# Altium PCB CHAHARDOLI-7 ADAD METAL.PcbDoc (part 2 of 10) (continued)
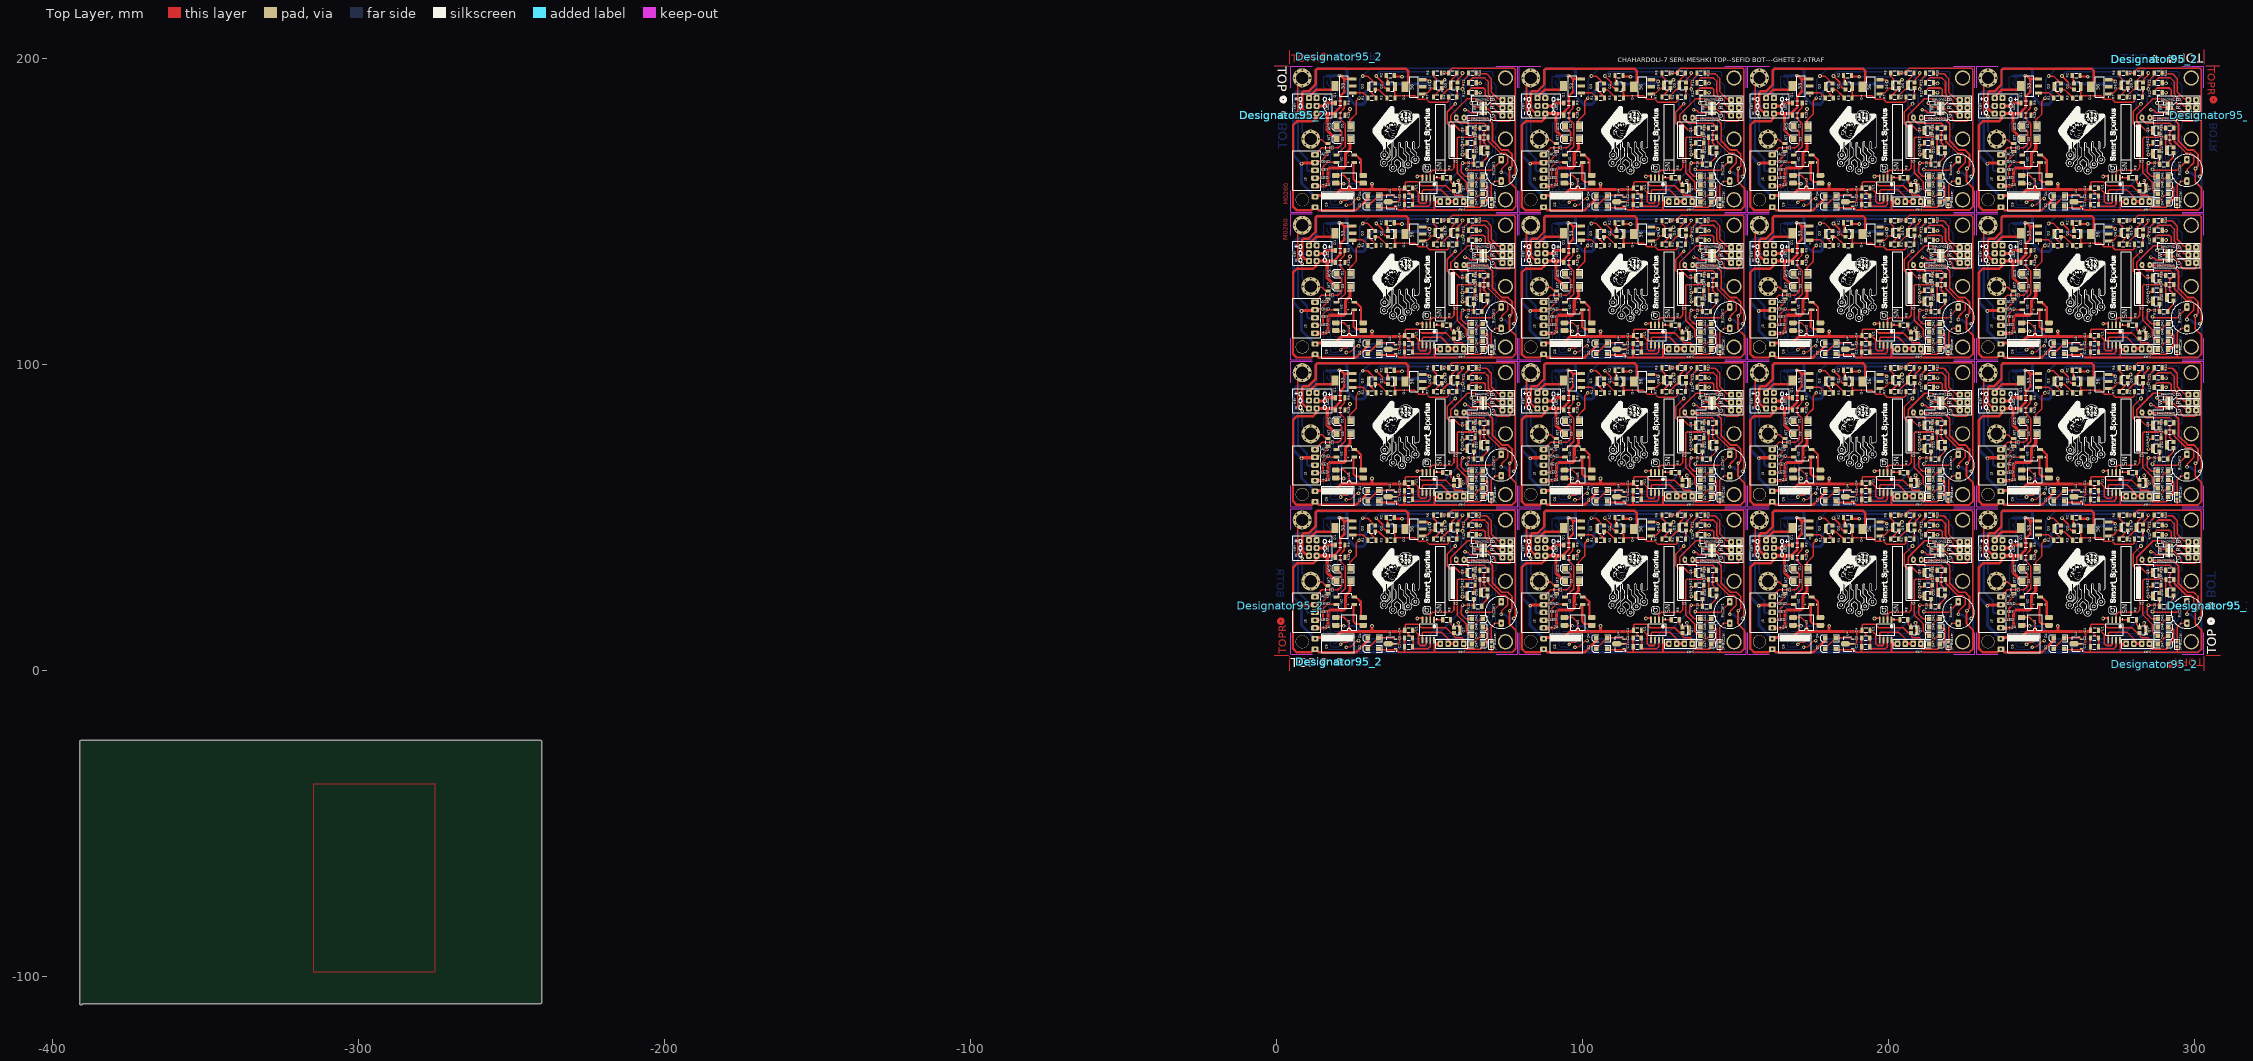
[diagram p0: Top Layer view]
## Components (designator, comment, footprint, x,y, rotation, side; value= is the part's Value field where it differs from the comment) (continued)
R7 "10K" "RES 1206 (3216X08L)"#1 276.6,42.91 r180 top
R7 "10K" "RES 1206 (3216X08L)"#1 276.6,91.055 r180 top
R7 "10K" "RES 1206 (3216X08L)"#1 276.6,139.2 r180 top
R7 "10K" "RES 1206 (3216X08L)"#1 276.6,187.345 r180 top
R7 "10K" "RES 1206 (3216X08L)"#1 201.912,187.345 r180 top
R7 "10K" "RES 1206 (3216X08L)"#1 201.912,139.2 r180 top
R7 "10K" "RES 1206 (3216X08L)"#1 201.912,91.055 r180 top
R7 "10K" "RES 1206 (3216X08L)"#1 201.912,42.91 r180 top
R7 "10K" "RES 1206 (3216X08L)"#1 127.224,187.345 r180 top
R7 "10K" "RES 1206 (3216X08L)"#1 127.224,139.2 r180 top
R7 "10K" "RES 1206 (3216X08L)"#1 127.224,91.055 r180 top
R7 "10K" "RES 1206 (3216X08L)"#1 127.224,42.91 r180 top
R7 "10K" "RES 1206 (3216X08L)"#1 52.536,187.345 r180 top
R7 "10K" "RES 1206 (3216X08L)"#1 52.536,139.2 r180 top
R7 "10K" "RES 1206 (3216X08L)"#1 52.536,91.055 r180 top
R7 "10K" "RES 1206 (3216X08L)"#1 52.536,42.91 r180 top
R8 "10K" "RES 1206 (3216X08L)"#1 279.6,16.51 r0 top
R8 "10K" "RES 1206 (3216X08L)"#1 279.6,64.655 r0 top
R8 "10K" "RES 1206 (3216X08L)"#1 279.6,112.8 r0 top
R8 "10K" "RES 1206 (3216X08L)"#1 279.6,160.945 r0 top
R8 "10K" "RES 1206 (3216X08L)"#1 204.912,160.945 r0 top
R8 "10K" "RES 1206 (3216X08L)"#1 204.912,112.8 r0 top
R8 "10K" "RES 1206 (3216X08L)"#1 204.912,64.655 r0 top
R8 "10K" "RES 1206 (3216X08L)"#1 204.912,16.51 r0 top
R8 "10K" "RES 1206 (3216X08L)"#1 130.224,160.945 r0 top
R8 "10K" "RES 1206 (3216X08L)"#1 130.224,112.8 r0 top
R8 "10K" "RES 1206 (3216X08L)"#1 130.224,64.655 r0 top
R8 "10K" "RES 1206 (3216X08L)"#1 130.224,16.51 r0 top
R8 "10K" "RES 1206 (3216X08L)"#1 55.536,160.945 r0 top
R8 "10K" "RES 1206 (3216X08L)"#1 55.536,112.8 r0 top
R8 "10K" "RES 1206 (3216X08L)"#1 55.536,64.655 r0 top
R8 "10K" "RES 1206 (3216X08L)"#1 55.536,16.51 r0 top
R9 "10K" "RES 1206 (3216X08L)"#2 244.8,40.91 r0 top
R9 "10K" "RES 1206 (3216X08L)"#2 244.8,89.055 r0 top
R9 "10K" "RES 1206 (3216X08L)"#2 244.8,137.2 r0 top
R9 "10K" "RES 1206 (3216X08L)"#2 244.8,185.345 r0 top
R9 "10K" "RES 1206 (3216X08L)"#2 170.112,185.345 r0 top
R9 "10K" "RES 1206 (3216X08L)"#2 170.112,137.2 r0 top
R9 "10K" "RES 1206 (3216X08L)"#2 170.112,89.055 r0 top
R9 "10K" "RES 1206 (3216X08L)"#2 170.112,40.91 r0 top
R9 "10K" "RES 1206 (3216X08L)"#2 95.424,185.345 r0 top
R9 "10K" "RES 1206 (3216X08L)"#2 95.424,137.2 r0 top
R9 "10K" "RES 1206 (3216X08L)"#2 95.424,89.055 r0 top
R9 "10K" "RES 1206 (3216X08L)"#2 95.424,40.91 r0 top
R9 "10K" "RES 1206 (3216X08L)"#2 20.736,185.345 r0 top
R9 "10K" "RES 1206 (3216X08L)"#2 20.736,137.2 r0 top
R9 "10K" "RES 1206 (3216X08L)"#2 20.736,89.055 r0 top
R9 "10K" "RES 1206 (3216X08L)"#2 20.736,40.91 r0 top
R10 "10K" "RES 1206 (3216X08L)"#1 288,50.71 r180 top
R10 "10K" "RES 1206 (3216X08L)"#1 288,98.855 r180 top
R10 "10K" "RES 1206 (3216X08L)"#1 288,147 r180 top
R10 "10K" "RES 1206 (3216X08L)"#1 288,195.145 r180 top
R10 "10K" "RES 1206 (3216X08L)"#1 213.312,195.145 r180 top
R10 "10K" "RES 1206 (3216X08L)"#1 213.312,147 r180 top
R10 "10K" "RES 1206 (3216X08L)"#1 213.312,98.855 r180 top
R10 "10K" "RES 1206 (3216X08L)"#1 213.312,50.71 r180 top
R10 "10K" "RES 1206 (3216X08L)"#1 138.624,195.145 r180 top
R10 "10K" "RES 1206 (3216X08L)"#1 138.624,147 r180 top
R10 "10K" "RES 1206 (3216X08L)"#1 138.624,98.855 r180 top
R10 "10K" "RES 1206 (3216X08L)"#1 138.624,50.71 r180 top
R10 "10K" "RES 1206 (3216X08L)"#1 63.936,195.145 r180 top
R10 "10K" "RES 1206 (3216X08L)"#1 63.936,147 r180 top
R10 "10K" "RES 1206 (3216X08L)"#1 63.936,98.855 r180 top
R10 "10K" "RES 1206 (3216X08L)"#1 63.936,50.71 r180 top
R11 "10K" "RES 1206 (3216X08L)"#1 288,47.51 r0 top
R11 "10K" "RES 1206 (3216X08L)"#1 288,95.655 r0 top
R11 "10K" "RES 1206 (3216X08L)"#1 288,143.8 r0 top
R11 "10K" "RES 1206 (3216X08L)"#1 288,191.945 r0 top
R11 "10K" "RES 1206 (3216X08L)"#1 213.312,191.945 r0 top
R11 "10K" "RES 1206 (3216X08L)"#1 213.312,143.8 r0 top
R11 "10K" "RES 1206 (3216X08L)"#1 213.312,95.655 r0 top
R11 "10K" "RES 1206 (3216X08L)"#1 213.312,47.51 r0 top
R11 "10K" "RES 1206 (3216X08L)"#1 138.624,191.945 r0 top
R11 "10K" "RES 1206 (3216X08L)"#1 138.624,143.8 r0 top
R11 "10K" "RES 1206 (3216X08L)"#1 138.624,95.655 r0 top
R11 "10K" "RES 1206 (3216X08L)"#1 138.624,47.51 r0 top
R11 "10K" "RES 1206 (3216X08L)"#1 63.936,191.945 r0 top
R11 "10K" "RES 1206 (3216X08L)"#1 63.936,143.8 r0 top
R11 "10K" "RES 1206 (3216X08L)"#1 63.936,95.655 r0 top
R11 "10K" "RES 1206 (3216X08L)"#1 63.936,47.51 r0 top
R12 "10K" "RES 1206 (3216X08L)"#1 288,44.31 r0 top
R12 "10K" "RES 1206 (3216X08L)"#1 288,92.455 r0 top
R12 "10K" "RES 1206 (3216X08L)"#1 288,140.6 r0 top
R12 "10K" "RES 1206 (3216X08L)"#1 288,188.745 r0 top
R12 "10K" "RES 1206 (3216X08L)"#1 213.312,188.745 r0 top
R12 "10K" "RES 1206 (3216X08L)"#1 213.312,140.6 r0 top
R12 "10K" "RES 1206 (3216X08L)"#1 213.312,92.455 r0 top
R12 "10K" "RES 1206 (3216X08L)"#1 213.312,44.31 r0 top
R12 "10K" "RES 1206 (3216X08L)"#1 138.624,188.745 r0 top
R12 "10K" "RES 1206 (3216X08L)"#1 138.624,140.6 r0 top
R12 "10K" "RES 1206 (3216X08L)"#1 138.624,92.455 r0 top
R12 "10K" "RES 1206 (3216X08L)"#1 138.624,44.31 r0 top
R12 "10K" "RES 1206 (3216X08L)"#1 63.936,188.745 r0 top
R12 "10K" "RES 1206 (3216X08L)"#1 63.936,140.6 r0 top
R12 "10K" "RES 1206 (3216X08L)"#1 63.936,92.455 r0 top
R12 "10K" "RES 1206 (3216X08L)"#1 63.936,44.31 r0 top
R13 "10K" "RES 1206 (3216X08L)"#2 244.8,36.91 r180 top
R13 "10K" "RES 1206 (3216X08L)"#2 244.8,85.055 r180 top
R13 "10K" "RES 1206 (3216X08L)"#2 244.8,133.2 r180 top
R13 "10K" "RES 1206 (3216X08L)"#2 244.8,181.345 r180 top
R13 "10K" "RES 1206 (3216X08L)"#2 170.112,181.345 r180 top
R13 "10K" "RES 1206 (3216X08L)"#2 170.112,133.2 r180 top
R13 "10K" "RES 1206 (3216X08L)"#2 170.112,85.055 r180 top
R13 "10K" "RES 1206 (3216X08L)"#2 170.112,36.91 r180 top
R13 "10K" "RES 1206 (3216X08L)"#2 95.424,181.345 r180 top
R13 "10K" "RES 1206 (3216X08L)"#2 95.424,133.2 r180 top
R13 "10K" "RES 1206 (3216X08L)"#2 95.424,85.055 r180 top
R13 "10K" "RES 1206 (3216X08L)"#2 95.424,36.91 r180 top
R13 "10K" "RES 1206 (3216X08L)"#2 20.736,181.345 r180 top
R13 "10K" "RES 1206 (3216X08L)"#2 20.736,133.2 r180 top
R13 "10K" "RES 1206 (3216X08L)"#2 20.736,85.055 r180 top
R13 "10K" "RES 1206 (3216X08L)"#2 20.736,36.91 r180 top
R14 "10K" "RES 1206 (3216X08L)"#1 291.8,29.71 r0 top
R14 "10K" "RES 1206 (3216X08L)"#1 291.8,77.855 r0 top
R14 "10K" "RES 1206 (3216X08L)"#1 291.8,126 r0 top
R14 "10K" "RES 1206 (3216X08L)"#1 291.8,174.145 r0 top
R14 "10K" "RES 1206 (3216X08L)"#1 217.112,174.145 r0 top
R14 "10K" "RES 1206 (3216X08L)"#1 217.112,126 r0 top
R14 "10K" "RES 1206 (3216X08L)"#1 217.112,77.855 r0 top
R14 "10K" "RES 1206 (3216X08L)"#1 217.112,29.71 r0 top
R14 "10K" "RES 1206 (3216X08L)"#1 142.424,174.145 r0 top
R14 "10K" "RES 1206 (3216X08L)"#1 142.424,126 r0 top
R14 "10K" "RES 1206 (3216X08L)"#1 142.424,77.855 r0 top
R14 "10K" "RES 1206 (3216X08L)"#1 142.424,29.71 r0 top
R14 "10K" "RES 1206 (3216X08L)"#1 67.736,174.145 r0 top
R14 "10K" "RES 1206 (3216X08L)"#1 67.736,126 r0 top
R14 "10K" "RES 1206 (3216X08L)"#1 67.736,77.855 r0 top
R14 "10K" "RES 1206 (3216X08L)"#1 67.736,29.71 r0 top
R15 "10K" "RES 1206 (3216X08L)"#1 289.8,20.91 r0 top
R15 "10K" "RES 1206 (3216X08L)"#1 289.8,69.055 r0 top
R15 "10K" "RES 1206 (3216X08L)"#1 289.8,117.2 r0 top
R15 "10K" "RES 1206 (3216X08L)"#1 289.8,165.345 r0 top
R15 "10K" "RES 1206 (3216X08L)"#1 215.112,165.345 r0 top
R15 "10K" "RES 1206 (3216X08L)"#1 215.112,117.2 r0 top
R15 "10K" "RES 1206 (3216X08L)"#1 215.112,69.055 r0 top
R15 "10K" "RES 1206 (3216X08L)"#1 215.112,20.91 r0 top
R15 "10K" "RES 1206 (3216X08L)"#1 140.424,165.345 r0 top
R15 "10K" "RES 1206 (3216X08L)"#1 140.424,117.2 r0 top
R15 "10K" "RES 1206 (3216X08L)"#1 140.424,69.055 r0 top
R15 "10K" "RES 1206 (3216X08L)"#1 140.424,20.91 r0 top
R15 "10K" "RES 1206 (3216X08L)"#1 65.736,165.345 r0 top
R15 "10K" "RES 1206 (3216X08L)"#1 65.736,117.2 r0 top
R15 "10K" "RES 1206 (3216X08L)"#1 65.736,69.055 r0 top
R15 "10K" "RES 1206 (3216X08L)"#1 65.736,20.91 r0 top
R16 "10K" "RES 1206 (3216X08L)"#1 291.8,32.71 r180 top
R16 "10K" "RES 1206 (3216X08L)"#1 291.8,80.855 r180 top
R16 "10K" "RES 1206 (3216X08L)"#1 291.8,129 r180 top
R16 "10K" "RES 1206 (3216X08L)"#1 291.8,177.145 r180 top
R16 "10K" "RES 1206 (3216X08L)"#1 217.112,177.145 r180 top
R16 "10K" "RES 1206 (3216X08L)"#1 217.112,129 r180 top
R16 "10K" "RES 1206 (3216X08L)"#1 217.112,80.855 r180 top
R16 "10K" "RES 1206 (3216X08L)"#1 217.112,32.71 r180 top
R16 "10K" "RES 1206 (3216X08L)"#1 142.424,177.145 r180 top
R16 "10K" "RES 1206 (3216X08L)"#1 142.424,129 r180 top
R16 "10K" "RES 1206 (3216X08L)"#1 142.424,80.855 r180 top
R16 "10K" "RES 1206 (3216X08L)"#1 142.424,32.71 r180 top
R16 "10K" "RES 1206 (3216X08L)"#1 67.736,177.145 r180 top
R16 "10K" "RES 1206 (3216X08L)"#1 67.736,129 r180 top
R16 "10K" "RES 1206 (3216X08L)"#1 67.736,80.855 r180 top
R16 "10K" "RES 1206 (3216X08L)"#1 67.736,32.71 r180 top
R17 "10K" "RES 1206 (3216X08L)"#1 287.6,27.91 r0 top
R17 "10K" "RES 1206 (3216X08L)"#1 287.6,76.055 r0 top
R17 "10K" "RES 1206 (3216X08L)"#1 287.6,124.2 r0 top
R17 "10K" "RES 1206 (3216X08L)"#1 287.6,172.345 r0 top
R17 "10K" "RES 1206 (3216X08L)"#1 212.912,172.345 r0 top
R17 "10K" "RES 1206 (3216X08L)"#1 212.912,124.2 r0 top
R17 "10K" "RES 1206 (3216X08L)"#1 212.912,76.055 r0 top
R17 "10K" "RES 1206 (3216X08L)"#1 212.912,27.91 r0 top
R17 "10K" "RES 1206 (3216X08L)"#1 138.224,172.345 r0 top
R17 "10K" "RES 1206 (3216X08L)"#1 138.224,124.2 r0 top
R17 "10K" "RES 1206 (3216X08L)"#1 138.224,76.055 r0 top
R17 "10K" "RES 1206 (3216X08L)"#1 138.224,27.91 r0 top
R17 "10K" "RES 1206 (3216X08L)"#1 63.536,172.345 r0 top
R17 "10K" "RES 1206 (3216X08L)"#1 63.536,124.2 r0 top
R17 "10K" "RES 1206 (3216X08L)"#1 63.536,76.055 r0 top
R17 "10K" "RES 1206 (3216X08L)"#1 63.536,27.91 r0 top
U1 "ATtiny15L-1SC" 8S2_N 273.6,13.31 r270 top
U1 "ATtiny15L-1SC" 8S2_N 273.6,61.455 r270 top
U1 "ATtiny15L-1SC" 8S2_N 273.6,109.6 r270 top
U1 "ATtiny15L-1SC" 8S2_N 273.6,157.745 r270 top
U1 "ATtiny15L-1SC" 8S2_N 198.912,157.745 r270 top
U1 "ATtiny15L-1SC" 8S2_N 198.912,109.6 r270 top
U1 "ATtiny15L-1SC" 8S2_N 198.912,61.455 r270 top
U1 "ATtiny15L-1SC" 8S2_N 198.912,13.31 r270 top
U1 "ATtiny15L-1SC" 8S2_N 124.224,157.745 r270 top
U1 "ATtiny15L-1SC" 8S2_N 124.224,109.6 r270 top
U1 "ATtiny15L-1SC" 8S2_N 124.224,61.455 r270 top
U1 "ATtiny15L-1SC" 8S2_N 124.224,13.31 r270 top
U1 "ATtiny15L-1SC" 8S2_N 49.536,157.745 r270 top
U1 "ATtiny15L-1SC" 8S2_N 49.536,109.6 r270 top
U1 "ATtiny15L-1SC" 8S2_N 49.536,61.455 r270 top
U1 "ATtiny15L-1SC" 8S2_N 49.536,13.31 r270 top
U2 "MB6S" SOIC245P670X270-4N 246.5,22.735 r180 top
U2 "MB6S" SOIC245P670X270-4N 246.5,70.88 r180 top
U2 "MB6S" SOIC245P670X270-4N 246.5,119.025 r180 top
U2 "MB6S" SOIC245P670X270-4N 246.5,167.17 r180 top
U2 "MB6S" SOIC245P670X270-4N 171.812,167.17 r180 top
U2 "MB6S" SOIC245P670X270-4N 171.812,119.025 r180 top
U2 "MB6S" SOIC245P670X270-4N 171.812,70.88 r180 top
U2 "MB6S" SOIC245P670X270-4N 171.812,22.735 r180 top
U2 "MB6S" SOIC245P670X270-4N 97.124,167.17 r180 top
U2 "MB6S" SOIC245P670X270-4N 97.124,119.025 r180 top
U2 "MB6S" SOIC245P670X270-4N 97.124,70.88 r180 top
U2 "MB6S" SOIC245P670X270-4N 97.124,22.735 r180 top
U2 "MB6S" SOIC245P670X270-4N 22.436,167.17 r180 top
U2 "MB6S" SOIC245P670X270-4N 22.436,119.025 r180 top
U2 "MB6S" SOIC245P670X270-4N 22.436,70.88 r180 top
U2 "MB6S" SOIC245P670X270-4N 22.436,22.735 r180 top
U3 "PC817" DIP4 251.62,14.71 r180 top
U3 "PC817" DIP4 251.62,62.855 r180 top
U3 "PC817" DIP4 251.62,111 r180 top
U3 "PC817" DIP4 251.62,159.145 r180 top
U3 "PC817" DIP4 176.932,159.145 r180 top
U3 "PC817" DIP4 176.932,111 r180 top
U3 "PC817" DIP4 176.932,62.855 r180 top
U3 "PC817" DIP4 176.932,14.71 r180 top
U3 "PC817" DIP4 102.244,159.145 r180 top
U3 "PC817" DIP4 102.244,111 r180 top
U3 "PC817" DIP4 102.244,62.855 r180 top
U3 "PC817" DIP4 102.244,14.71 r180 top
U3 "PC817" DIP4 27.556,159.145 r180 top
U3 "PC817" DIP4 27.556,111 r180 top
U3 "PC817" DIP4 27.556,62.855 r180 top
U3 "PC817" DIP4 27.556,14.71 r180 top
U4 "LM1117MP-3.3" SOT89L 261.3,8.61 r180 top
U4 "LM1117MP-3.3" SOT89L 261.3,56.755 r180 top
U4 "LM1117MP-3.3" SOT89L 261.3,104.9 r180 top
U4 "LM1117MP-3.3" SOT89L 261.3,153.045 r180 top
U4 "LM1117MP-3.3" SOT89L 186.612,153.045 r180 top
U4 "LM1117MP-3.3" SOT89L 186.612,104.9 r180 top
U4 "LM1117MP-3.3" SOT89L 186.612,56.755 r180 top
U4 "LM1117MP-3.3" SOT89L 186.612,8.61 r180 top
U4 "LM1117MP-3.3" SOT89L 111.924,153.045 r180 top
U4 "LM1117MP-3.3" SOT89L 111.924,104.9 r180 top
U4 "LM1117MP-3.3" SOT89L 111.924,56.755 r180 top
U4 "LM1117MP-3.3" SOT89L 111.924,8.61 r180 top
U4 "LM1117MP-3.3" SOT89L 37.236,153.045 r180 top
U4 "LM1117MP-3.3" SOT89L 37.236,104.9 r180 top
U4 "LM1117MP-3.3" SOT89L 37.236,56.755 r180 top
U4 "LM1117MP-3.3" SOT89L 37.236,8.61 r180 top

## Footprints (in the part's own frame and the unit in brackets; to place one, negate y for a bottom-side part, rotate by r counter-clockwise, add the part's x,y. Pads: shape width x height; smd on the part's side, far side on the other; paste and mask are expansions set on the pad)
3.2X1.6X1.1#1 [mm] "SMT LED; 2 Flat Leads"
  rect 2x2 smd: 1(-1.8,0) 2(2.8,0)
  silkscreen extent -3,-1.4 4.2,1.4
3.2X1.6X1.1#2 [mm] "SMT LED; 2 Flat Leads"
  rect 1.5x1.5 smd: 1(-1.75,0) 2(1.75,0)
  silkscreen extent -2.9,-1.15 3.2,1.15
3.2X1.6X1.1#3 [mm] "SMT LED; 2 Flat Leads"
  rect 2x2 smd: 1(-2,0) 2(2.6,0)
  silkscreen extent -3.2,-1.4 3.95,1.4
8S2_N [mm] "SOP, 8-Leads, Body 5.3x5.3mm, Pitch 1.27mm, IPC Medium Density"
  oval 2.2x0.6 smd: 1(-3.2,1.905) 2(-3.2,0.635) 3(-3.2,-0.635) 4(-3.2,-1.905) 5(3.4,-1.905) 6(3.4,-0.635) 7(3.4,0.635) 8(3.4,1.905)
  silkscreen extent -3.52,-2.8 1.9,3, body extent -2.73,-2.75 2.73,2.75, height 2.16
BUZZER [mm] "BUZZER"
  rrect50% 2.5x1.8 hole 0.9: 1(-3.5,0) 2(3.5,0)
  silkscreen extent -5.2,-5.2 5.2,5.2
"CAP 1206" [mm]
  rect 1.05x1.7 smd: 1(-1.27,0) 2(1.326,0)
  silkscreen extent -0.47,-0.75 0.53,0.75, body extent -1.49,-0.77 1.55,0.75, height 0.75
DIP4 [mm]
  rrect50% 2.54x1.651 smd: 1(-0.7,0) 2(-0.7,-2.54) 3(8.22,-2.54) 4(8.22,0)
  silkscreen extent 1.42,-3.4 6.22,1.65, body extent -0.13,-3.56 7.75,1.03, height 4.3
ELEC-CAP-RAD10-20 [mil] "Chip Capacitor, 2-Leads, Body 3.2x1.6mm, IPC High Density, chip Tantalum"
  oval 60x80 hole 27.56: 1(-50,0) 2(50,0)
  body extent -124,-124 124,124, height 404
ELEC-CAP-RAD15-30 [mm]
  rrect50% 1.778x2.286 hole 0.8: 1(-1.6,-2) 2(1.8,-2)
  silkscreen extent -2.74,0.4 -0.74,10.3, body extent -4.25,-4.25 4.25,4.25, height 15.46
"Header 2X1" [mm]
  rect 1x1 smd: 1(-0.8,0) 2(0.7,0)
  silkscreen extent -1.6,-0.8 1.6,0.8, body extent -2.54,-1.27 2.54,1.27, height 9.5
"HEADER 3X2" [mm]
  rrect50% 2x2 hole 0.9: 1(0,0) 2(0,-2.54) 3(2.54,0) 4(2.54,-2.54) 5(5.08,0) 6(5.08,-2.54)
  silkscreen extent -1.4,-7.6 6.48,5.2, body extent -1.3,-3.81 6.32,1.27, height 8.38
"HEADER 4X1" [mm]
  rrect50% 1.8x2.2 hole 0.9: 1(0,0) 2(2.54,0) 3(5.08,0) 4(7.62,0)
  silkscreen extent -1.43,-1.5 8.92,1.5, body extent -1.19,-1.22 8.97,1.32, height 8.38
"HEADER 5X1" [mm]
  rrect50% 1.8x2.6 hole 0.9: 1(0,0) 2(2.54,0) 3(5.08,0) 4(7.62,0) 5(10.16,0)
  silkscreen extent -1.4,-1.8 11.46,7.2, body extent -1.22,-1.19 11.48,1.35, height 8.38
"Jumper Selector"#1 [mm]
  rect 1.6x0.9 smd: 1(2.48,0)
  rect 1x0.9 smd: 2(0.78,0) 3(4.18,0)
  body extent -1.24,-1.27 6.38,1.27, height 10.16
"Jumper Selector"#2 [mm]
  rect 1.6x0.9 smd: 1(2.54,0)
  rect 1x0.9 smd: 2(0.84,0) 3(4.24,0)
  body extent -1.24,-1.27 6.38,1.27, height 10.16
PAD#1 [mm]
  Top Layer circle w1: c0,-5.08 r0.75
  Bottom Layer circle w1: c0,0 r0.75
PAD#2 [mm]
"RES 0805 (2012X06L)" [mm] "Chip Resistor, 2-Leads, Body 2.0x1.3mm, IPC High Density _ (0.100 W)"
  rect 0.8x1 smd: 1(-0.838,0) 2(0.812,0)
  silkscreen extent -0.16,-0.55 0.14,0.55, body extent -1.03,-0.63 1,0.64, height 0.6
"RES 1206 (3216X08L)"#1 [mm] "Chip Resistor, 2-Leads, Body 3.2x1.6mm, IPC High Density _ (0.125 W)"
  rect 1.05x1.7 smd: 1(-1.295,0) 2(1.301,0)
  silkscreen extent -0.5,-0.75 0.5,0.75, body extent -1.52,-0.76 1.53,0.76, height 0.6
"RES 1206 (3216X08L)"#2 [mm] "Chip Resistor, 2-Leads, Body 3.2x1.6mm, IPC High Density _ (0.125 W)"
  rect 1.05x1.7 smd: 1(-1.6,0) 2(1.6,0)
  silkscreen extent -0.5,-0.75 0.5,0.75, body extent -1.52,-0.76 1.53,0.76, height 0.6
SOIC245P670X270-4N [mm]
  rrect23% 1.91x0.91 smd: 1(-2.9,1.225) 2(-2.9,-1.225) 3(2.9,-1.225) 4(2.9,1.225)
  silkscreen extent -4.68,-2.48 2.1,2.48
SOT89L [mm] "SOT89, 3-Leads, Body 4.5x2.4 mm, Pitch 1.5mm, Lead Span 4.1mm, IPC High Density"
  rect 1.2x0.5 smd: 1(-1.7,1.5) 3(-1.7,-1.5)
  rect 1.6x0.5 smd: 2(-1.5,0)
  oct 3x1.8 smd: 2(0.8,0)
  silkscreen extent -2.08,-2.3 1.3,2.42, body extent -1.3,-2.3 1.3,2.3, height 1.6
SOT223_N [mm] "SOT223, 4-Leads, Body 6.5x3.5mm, Pitch 2.3mm, Lead Span 7mm, IPC Medium Density"
  rect 2.4x1 smd: 1(-2.9,2.3) 2(-2.9,0) 3(-2.9,-2.3)
  rect 2.4x3.3 smd: 4(2.9,0)
  silkscreen extent -3.03,-3.35 1.4,3.47, body extent -1.85,-3.35 1.85,3.35, height 1.7
SOT-23B_L [mm] "SOT23, 3-Leads, Body 2.9x1.3mm, Pitch 0.95mm, Lead Span 2.4mm, IPC High Density"
  rect 1.3x1.3 smd: 1(-1.075,0.95) 2(-1.075,-0.95)
  rect 1.2x3 smd: 3(1.075,0)
  silkscreen extent -1.2,-1.5 0.7,1.92, body extent -0.7,-1.5 0.7,1.5, height 1.14
SOT-23B_N [mm] "SOT23, 3-Leads, Body 2.9x1.3mm, Pitch 0.95mm, Lead Span 2.4mm, IPC Medium Density"
  rect 1.3x1.3 smd: 1(-1.125,0.95) 2(-1.125,-0.95)
  rect 1.2x3 smd: 3(1.125,0)
  silkscreen extent -1.25,-1.5 0.7,1.92, body extent -0.7,-1.5 0.7,1.5, height 1.14

## Part data
1 1 1 1 1 1 1 1 1 1 1 1 1 1 1 1 1 1 1 1 1 1 1 1 1 1 1 1 1 1 1 1 1 1 1 1 1 1 1 1 1 1 1 1 1 1 1 1 1 1 1 1 1 1 1 1 1 1 1 1 1 1 1 1 1 1 1 1 1 1 1 1 1 1 1 1 1 1 1 1 1 1 1 1 1 1 1 1 1 1 1 1 1 1 1 1 1 1 1 1 1 1 1 1 1 1 1 1 1 1 1 1 1 1 1 1 1 1 1 1 1 1 1 1 1 1 1 1 1 1 1 1 1 1 1 1 1 1 1 1 1 1 1 1 1 1 1 1 1 1 1 1 1 1 1 1 1 1 1 1 2 2 2 2 2 2 2 2 2 2 2 2 2 2 2 2 2 2 2 2 2 2 2 2 2 2 2 2 2 2 2 2 2 2 2 2 2 2 2 2 2 2 2 2 2 2 2 2 2 2 2 2 2 2 2 2 2 2 2 2 2 2 2 2 2 2 2 2 2 2 2 2 2 2 2 2 2 2 2 2 2 2 2 2 2 2 2 2 2 2 2 2 2 2 2 2 2 2 2 2 2 2 2 2 2 2 2 2 2 2 2 2 2 2 2 2 2 2 2 2 2 2 2 2 2 2 2 2 2 2 2 2 2 2 2 2 2 2 2 2 2 2 2 2 2 2 2 2 2 2 2 2 2 2 2 2 2 2 2 2 3 3 3 3 3 3 3 3 3 3 3 3 3 3 3 3 3 3 3 3 3 3 3 3 3 3 3 3 3 3 3 3 3 3 3 3 3 3 3 3 3 3 3 3 3 3 3 3 3 3 3 3 3 3 3 3 3 3 3 3 3 3 3 3 3 3 3 3 3 3 3 3 3 3 3 3 3 3 3 3 3 3 3 3 3 3 3 3 3 3 3 3 3 3 3 3 3 3 3 3 3 3 3 3 3 3 3 3 3 3 3 3 3 3 3 3 3 3 3 3 3 3 3 3 3 3 3 3 3 3 3 3 3 3 3 3 3 3 3 3 3 3 3 3 3 3 3 3 3 3 3 3 3 3 3 3 3 3 3 3 4 4 4 4 4 4 4 4 4 4 4 4 4 4 4 4 4 4 4 4 4 4 4 4 4 4 4 4 4 4 4 4 4 4 4 4 4 4 4 4 4 4 4 4 4 4 4 4 4 4 4 4 4 4 4 4 4 4 4 4 4 4 4 4 4 4 4 4 4 4 4 4 4 4 4 4 4 4 4 4 4 4 4 4 4 4 4 4 4 4 4 4 4 4 4 4 4 4 4 4 4 4 4 4 4 4 4 4 4 4 4 4 4 4 4 4 4 4 4 4 4 4 4 4 4 4 4 4 4 4 4 4 4 4 4 4 4 4 4 4 4 4 4 4 4 4 4 4 4 4 4 4 4 4 4 4 4 4 4 4: "Typical RED, GREEN, YELLOW, AMBER GaAs LED"
C1 C1 C1 C1 C1 C1 C1 C1 C1 C1 C1 C1 C1 C1 C1 C1 C2 C2 C2 C2 C2 C2 C2 C2 C2 C2 C2 C2 C2 C2 C2 C2 C3 C3 C3 C3 C3 C3 C3 C3 C3 C3 C3 C3 C3 C3 C3 C3 C4 C4 C4 C4 C4 C4 C4 C4 C4 C4 C4 C4 C4 C4 C4 C4: library part Capacitor, "Capacitor"
C5 C5 C5 C5 C5 C5 C5 C5 C5 C5 C5 C5 C5 C5 C5 C5 C6 C6 C6 C6 C6 C6 C6 C6 C6 C6 C6 C6 C6 C6 C6 C6: library part "Capacitor Electrolytic", "Electrolytic Capacitor"
D1 D1 D1 D1 D1 D1 D1 D1 D1 D1 D1 D1 D1 D1 D1 D1 D2 D2 D2 D2 D2 D2 D2 D2 D2 D2 D2 D2 D2 D2 D2 D2 D3 D3 D3 D3 D3 D3 D3 D3 D3 D3 D3 D3 D3 D3 D3 D3 D4 D4 D4 D4 D4 D4 D4 D4 D4 D4 D4 D4 D4 D4 D4 D4 D40 D40 D40 D40 D40 D40 D40 D40 D40 D40 D40 D40 D40 D40 D40 D40 D41 D41 D41 D41 D41 D41 D41 D41 D41 D41 D41 D41 D41 D41 D41 D41 D47 D47 D47 D47 D47 D47 D47 D47 D47 D47 D47 D47 D47 D47 D47 D47 D48 D48 D48 D48 D48 D48 D48 D48 D48 D48 D48 D48 D48 D48 D48 D48: "Tunnel Diode - RLC Model"
Q1 Q1 Q1 Q1 Q1 Q1 Q1 Q1 Q1 Q1 Q1 Q1 Q1 Q1 Q1 Q1 Q4 Q4 Q4 Q4 Q4 Q4 Q4 Q4 Q4 Q4 Q4 Q4 Q4 Q4 Q4 Q4: "P-Channel MOSFET, Externally Terminated Substrate"
Q2 Q2 Q2 Q2 Q2 Q2 Q2 Q2 Q2 Q2 Q2 Q2 Q2 Q2 Q2 Q2: "PNP Bipolar Transistor"
Q3 Q3 Q3 Q3 Q3 Q3 Q3 Q3 Q3 Q3 Q3 Q3 Q3 Q3 Q3 Q3 Q5 Q5 Q5 Q5 Q5 Q5 Q5 Q5 Q5 Q5 Q5 Q5 Q5 Q5 Q5 Q5 Q6 Q6 Q6 Q6 Q6 Q6 Q6 Q6 Q6 Q6 Q6 Q6 Q6 Q6 Q6 Q6 Q7 Q7 Q7 Q7 Q7 Q7 Q7 Q7 Q7 Q7 Q7 Q7 Q7 Q7 Q7 Q7 Q8 Q8 Q8 Q8 Q8 Q8 Q8 Q8 Q8 Q8 Q8 Q8 Q8 Q8 Q8 Q8 Q9 Q9 Q9 Q9 Q9 Q9 Q9 Q9 Q9 Q9 Q9 Q9 Q9 Q9 Q9 Q9 Q10 Q10 Q10 Q10 Q10 Q10 Q10 Q10 Q10 Q10 Q10 Q10 Q10 Q10 Q10 Q10: "NPN Bipolar Transistor"
R1 R1 R1 R1 R1 R1 R1 R1 R1 R1 R1 R1 R1 R1 R1 R1 R2 R2 R2 R2 R2 R2 R2 R2 R2 R2 R2 R2 R2 R2 R2 R2 R3 R3 R3 R3 R3 R3 R3 R3 R3 R3 R3 R3 R3 R3 R3 R3 R4 R4 R4 R4 R4 R4 R4 R4 R4 R4 R4 R4 R4 R4 R4 R4 R5 R5 R5 R5 R5 R5 R5 R5 R5 R5 R5 R5 R5 R5 R5 R5 R6 R6 R6 R6 R6 R6 R6 R6 R6 R6 R6 R6 R6 R6 R6 R6 R7 R7 R7 R7 R7 R7 R7 R7 R7 R7 R7 R7 R7 R7 R7 R7 R8 R8 R8 R8 R8 R8 R8 R8 R8 R8 R8 R8 R8 R8 R8 R8 R9 R9 R9 R9 R9 R9 R9 R9 R9 R9 R9 R9 R9 R9 R9 R9 R10 R10 R10 R10 R10 R10 R10 R10 R10 R10 R10 R10 R10 R10 R10 R10 R11 R11 R11 R11 R11 R11 R11 R11 R11 R11 R11 R11 R11 R11 R11 R11 R12 R12 R12 R12 R12 R12 R12 R12 R12 R12 R12 R12 R12 R12 R12 R12 R13 R13 R13 R13 R13 R13 R13 R13 R13 R13 R13 R13 R13 R13 R13 R13 R14 R14 R14 R14 R14 R14 R14 R14 R14 R14 R14 R14 R14 R14 R14 R14 R15 R15 R15 R15 R15 R15 R15 R15 R15 R15 R15 R15 R15 R15 R15 R15 R16 R16 R16 R16 R16 R16 R16 R16 R16 R16 R16 R16 R16 R16 R16 R16 R17 R17 R17 R17 R17 R17 R17 R17 R17 R17 R17 R17 R17 R17 R17 R17: library part Resistor, "Resistor"
U1 U1 U1 U1 U1 U1 U1 U1 U1 U1 U1 U1 U1 U1 U1 U1: "8-Bit AVR Microcontroller with 1K Byte of Flash Memory"
U2 U2 U2 U2 U2 U2 U2 U2 U2 U2 U2 U2 U2 U2 U2 U2: "Bridge Rectifier Single Phase Standard 600V Surface Mount 4-SOIC"
U3 U3 U3 U3 U3 U3 U3 U3 U3 U3 U3 U3 U3 U3 U3 U3: library part OPTCOUPLER_01, "4-Pin Phototransistor Optocoupler"
U4 U4 U4 U4 U4 U4 U4 U4 U4 U4 U4 U4 U4 U4 U4 U4: "800mA Low-Dropout Linear Regulator"

## Free pads (board coordinates)
  round 0 hole 0.95: 2(2.149,186.493) 2(15.374,2.788) 2(292.027,199.718) 2(305.252,16.013) 3(2.174,181.418) 3(20.449,2.813) 3(286.952,199.693) 3(305.227,21.088) 42(4.324,4.963) 42(4.324,53.108) 42(4.324,101.253) 42(4.324,149.398) 42(4.324,197.543) 42(79.013,4.963) 42(79.013,197.543) 42(153.701,4.963) 42(153.701,197.543) 42(228.389,4.963) 42(228.389,197.543) 42(303.077,4.963) 42(303.077,53.108) 42(303.077,101.253) 42(303.077,149.398) 42(303.077,197.543)
  round 4.3 hole 4: 2(8.336,9.31) 2(8.336,57.455) 2(8.336,105.6) 2(8.336,153.745) 2(83.024,9.31) 2(83.024,57.455) 2(83.024,105.6) 2(83.024,153.745) 2(157.712,9.31) 2(157.712,57.455) 2(157.712,105.6) 2(157.712,153.745) 2(232.4,9.31) 2(232.4,57.455) 2(232.4,105.6) 2(232.4,153.745)
  round 5 hole 4: 2(74.736,49.11) 2(74.736,97.255) 2(74.736,145.4) 2(74.736,193.545) 2(149.424,49.11) 2(149.424,97.255) 2(149.424,145.4) 2(149.424,193.545) 2(224.112,49.11) 2(224.112,97.255) 2(224.112,145.4) 2(224.112,193.545) 2(298.8,49.11) 2(298.8,97.255) 2(298.8,145.4) 2(298.8,193.545) 3(74.736,9.31) 3(74.736,57.455) 3(74.736,105.6) 3(74.736,153.745) 3(149.424,9.31) 3(149.424,57.455) 3(149.424,105.6) 3(149.424,153.745) 3(224.112,9.31) 3(224.112,57.455) 3(224.112,105.6) 3(224.112,153.745) 3(298.8,9.31) 3(298.8,57.455) 3(298.8,105.6) 3(298.8,153.745) 4(74.736,29.11) 4(74.736,77.255) 4(74.736,125.4) 4(74.736,173.545) 4(149.424,29.11) 4(149.424,77.255) 4(149.424,125.4) 4(149.424,173.545) 4(224.112,29.11) 4(224.112,77.255) 4(224.112,125.4) 4(224.112,173.545) 4(298.8,29.11) 4(298.8,77.255) 4(298.8,125.4) 4(298.8,173.545)
  round 6.2 hole 4: 5(8.336,49.11) 5(8.336,97.255) 5(8.336,145.4) 5(8.336,193.545) 5(11.136,29.11) 5(11.136,77.255) 5(11.136,125.4) 5(11.136,173.545) 5(83.024,49.11) 5(83.024,97.255) 5(83.024,145.4) 5(83.024,193.545) 5(85.824,29.11) 5(85.824,77.255) 5(85.824,125.4) 5(85.824,173.545) 5(157.712,49.11) 5(157.712,97.255) 5(157.712,145.4) 5(157.712,193.545) 5(160.512,29.11) 5(160.512,77.255) 5(160.512,125.4) 5(160.512,173.545) 5(232.4,49.11) 5(232.4,97.255) 5(232.4,145.4) 5(232.4,193.545) 5(235.2,29.11) 5(235.2,77.255) 5(235.2,125.4) 5(235.2,173.545)
  round 32 smd far side: 6(41.936,29.51) 6(41.936,77.655) 6(41.936,125.8) 6(41.936,173.945) 6(116.624,29.51) 6(116.624,77.655) 6(116.624,125.8) 6(116.624,173.945) 6(191.312,29.51) 6(191.312,77.655) 6(191.312,125.8) 6(191.312,173.945) 6(266,29.51) 6(266,77.655) 6(266,125.8) 6(266,173.945)

## Via types
v1: diameter 1.2, hole 0.6, Top Layer to Bottom Layer, 496 vias
v2: diameter 1, hole 0.6, Top Layer to Bottom Layer, 128 vias
v3: diameter 0.9, hole 0.6, Top Layer to Bottom Layer, 128 vias
v4: diameter 1.27, hole 0.6, Top Layer to Bottom Layer, 16 vias

## Nets (pads, with @x,y where several pads share a name; then routed paths per layer and width w, separated by ;. In a path a pad name is that pad's centre, name@x,y a point inside that pad or via, vN(x,y) a via of type N, cw(c..) or ccw(c..) an arc to the next point about the centre after c; other vN are vias at no path point)
ACS: 
bizer: 
data-rf: 
GND: 
key: 
key+: 
key-: 
L1: 
L11: 
L12: 
L13: 
led: 
"led IN": 
Lw: 
Net1_1: 
Net1_1: 
Net1_1: 
Net1_1: 
Net1_1: 
Net1_1: 
Net1_1: 
Net1_1: 
Net2_1: 
Net2_1: 
Net2_1: 
Net2_1: 
Net2_1: 
Net2_1: 
Net2_1: 
Net2_1: 
Net3_1: 
Net3_1: 
Net3_1: 
Net3_1: 
Net3_1: 
Net3_1: 
Net3_1: 
Net3_1: 
Net4_1: 
Net4_1: 
Net4_1: 
Net4_1: 
Net4_1: 
Net4_1: 
Net4_1: 
Net4_1: 
NetBuzzer1_1: 
NetBuzzer1_2: 
NetC4_2: 
NetD1_1: 
NetD2_2: 
NetD3_1: 
NetD40_1: 
NetD40_2: 
NetD41_2: 
NetJ1_4: 
NetJ4_2: 
NetJ4_4: 
NetJ4_6: 
NetJP2_2: 
NetJP2_3: 
NetQ1_1: 
NetQ2_1: 
NetQ2_2: 
NetQ3_1: 
NetQ3_2: 
NetQ4_1: 
NetQ5_1: 
NetQ5_2: 
NetQ6_2: 
NetQ7_2: 
NetQ8_3: 
NetQ9_3: 
NetQ10_2: 
NetR9_2: 
NetU2_1: 
NetU2_2: 
out: 
touch: 
vcc: 
vdd: 
pads on no net: 1.1 1.2 2.1 2.2 3.1 3.2 4.1 4.2 Buzzer1.1 Buzzer1.2 C1.1 C1.2 C2.1 C2.2 C3.1 C3.2 C4.1 C4.2 C5.1 C5.2 C6.1 C6.2 D1.1 D1.2 D2.1 D2.2 D3.1 D3.2 D4.1 D4.2 D40.1 D40.2 D41.1 D41.2 D47.1 D47.2 D48.1 D48.2 J1.1 J1.2 J1.3 J1.4 J1.5 J1.6 J3.1 J3.2 J3.3 J3.4 J3.5 J4.1 J4.2 J4.3 J4.4 J4.5 J4.6 J-RF.1 J-RF.2 J-RF.3 J-RF.4 JP2.1 JP2.2 JP2.3 JP3.1 JP3.2 JP3.3 JP-Buzzer.1 JP-Buzzer.2 Q1.1 Q1.2 Q1.3 Q1.4 Q2.1 Q2.2 Q2.3 Q3.1 Q3.2 Q3.3 Q4.1 Q4.2 Q4.3 Q4.4 Q5.1 Q5.2 Q5.3 Q6.1 Q6.2 Q6.3 Q7.1 Q7.2 Q7.3 Q8.1 Q8.2 Q8.3 Q9.1 Q9.2 Q9.3 Q10.1 Q10.2 Q10.3 R1.1 R1.2 R2.1 R2.2 R3.1 R3.2 R4.1 R4.2 R5.1 R5.2 R6.1 R6.2 R7.1 R7.2 R8.1 R8.2 R9.1 R9.2 R10.1 R10.2 R11.1 R11.2 R12.1 R12.2 R13.1 R13.2 R14.1 R14.2 R15.1 R15.2 R16.1 R16.2 R17.1 R17.2 U1.1 U1.2 U1.3 U1.4 U1.5 U1.6 U1.7 U1.8 U2.1 U2.2 U2.3 U2.4 U3.1 U3.2 U3.3 U3.4 U4.1 U4.2 U4.3